# Altium PCB AIRZAI BASE BOARD REV C.PcbDoc (part 2 of 2)
Units mil, origin at the board's own origin, x right, y up, seen from the top; angles counter-clockwise.
Board outline 3352.11 x 2964.91 mil, 4 copper layers (Top Layer, MidLayer1, MidLayer2, Bottom Layer), stack 27.813 mil thick; 164 components, 100 nets, 463 pads, 356 vias.
Unrouted connection lines stored in the file: 150.
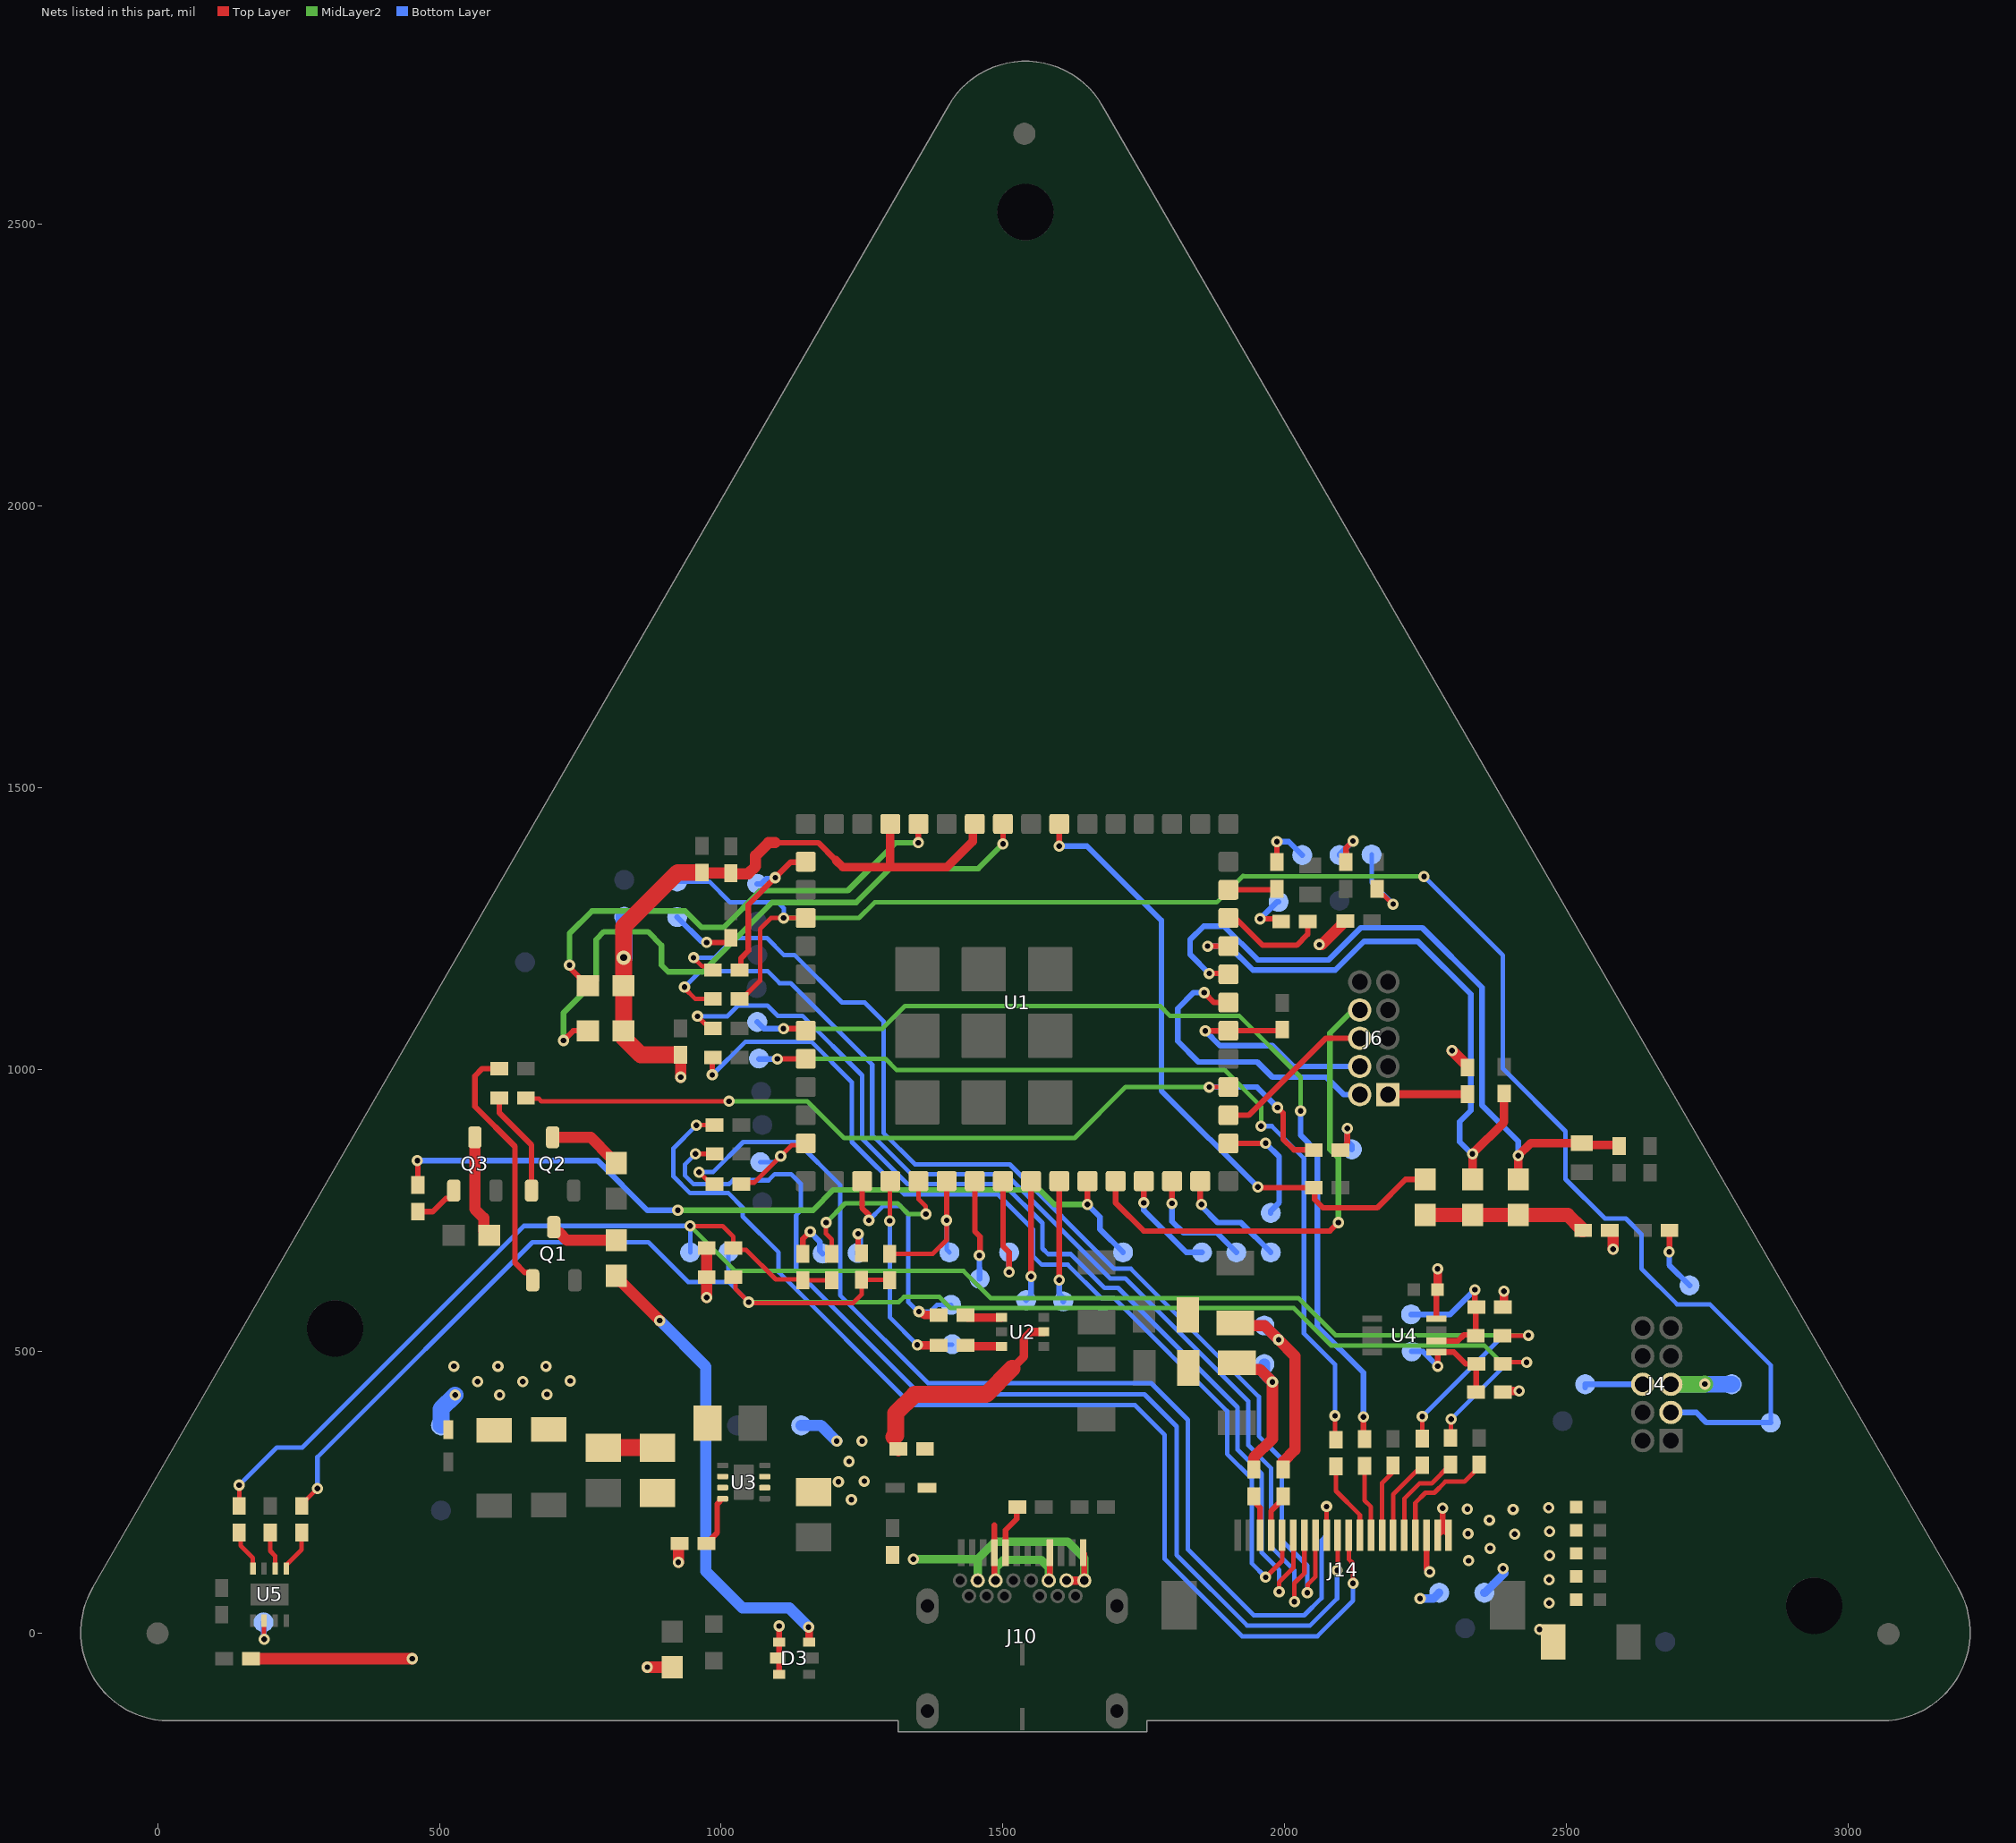
[diagram p4: the nets of this part, all layers, seen from the top]

## Via types
v1: diameter 20, hole 10, Top Layer to Bottom Layer, tented both sides, 317 vias
v2: diameter 19.68, hole 7.87, Top Layer to Bottom Layer, tented both sides, 38 vias
v3: diameter 25, hole 12, Top Layer to Bottom Layer, tented both sides, 1 vias

## Nets (pads, with @x,y where several pads share a name; then routed paths per layer and width w, separated by ;. In a path a pad name is that pad's centre, name@x,y a point inside that pad or via, vN(x,y) a via of type N, cw(c..) or ccw(c..) an arc to the next point about the centre after c; other vN are vias at no path point) (continued)
NetD3_6: D3.6 R61.2 | length 840.3
  Top Layer w13: v1(1155,11) 1156.1,9.9 D3.6@1156.1,-15.46
  Top Layer w20: R61.2@814,634.5 822.7,625.8 822.7,623.3 v1(891,555)
  Bottom Layer w20: v1(891,555) 973,473 973,110 1038.13,44.87 1121.13,44.87 v1(1155,11)
NetD5_K: D5.K J10.A4 J10.A9 J10.B4 J10.B9 L1.1 | length 301.3
  Top Layer w10: J10.A4@1484.79,142.46 1484.79,192 ; J10.A4@1484.79,143.03 1484.79,95.79 J10.B9@1486.76,93.82 ; J10.B4@1581.24,93.82 1583.21,95.79 J10.A9@1583.21,143.03
  MidLayer2 w15: J10.B9@1486.76,93.82 1486.76,116.41 1500.83,130.48 1567.82,130.48 1581.24,117.06 J10.B4@1581.24,93.82
NetJ4_6: J4.6 TP44.1 | length 107.6
  Bottom Layer w10: TP44.1@2533,436.38 TP44.1@2533,442 J4.6@2635,442
NetJ6_1: J6.1 R44.2 | length 141.3
  Top Layer w15: J6.1@2183,956 2183.75,956.75 R44.2@2324,956.75
NetJ10_A5: J10.A5 R55.1 | length 90.2
  Top Layer w10: J10.A5@1504.47,142.46 1504.47,183.25 1524.27,203.05 1524.27,222.89 R55.1@1525.38,224
NetJ10_A12: J10.A12 J10.B1 J10.G1 J10.G2 L3.1 | length 487.1
  Top Layer w10: J10.A12@1642.27,143.03 1644.24,141.06 J10.B1@1644.24,93.82
  Top Layer w15: J10.G1@1612.74,93.82 J10.B1@1644.24,93.82
  MidLayer2 w15: v1(1341,131.83) 1455.26,131.83 ; J10.G2@1455.26,93.82 1455.26,131.83 ; J10.B1@1644.24,93.82 1644.24,133.33 1615,162.57 1486,162.57 1455.26,131.83
NetJ14_3: J14.3 R20.1 | length 73.7
  Top Layer w10: R20.1@1945.02,243.37 1945.02,234.09 1956.02,223.09 J14.3@1956.02,174.23
NetJ14_4: J14.4 R18.1 | length 76.5
  Top Layer w10: J14.4@1975.71,174.23 1975.71,217.11 R18.1@1999.48,240.89
NetJ14_5: J14.5 R16.1 | length 1740.4
  Top Layer w8: v1(1966,99.61) 1995.39,129 J14.5@1995.39,174.23
  Top Layer w10: v1(984.24,991) 984.24,1020.86 R16.1@985.38,1022
  Bottom Layer w8: v1(984.24,991) 1043.24,1050 1160,1050 1232,978 1232,872 1325,779 1491,779 1553,717 1553,670 1569,654 1615,654 1674,595 1697,595 1897.6,394.4 1897.6,318.4 1941.77,274.23 1941.77,123.84 v1(1966,99.61)
NetJ14_6: J14.6 R15.1 | length 1857.7
  Top Layer w8: v1(958,1095) 971.57,1081.43 977.57,1081.43 R15.1@985.38,1073.62 ; v1(1990,74) 1990,90.92 2015.08,116 J14.6@2015.08,174.23
  Bottom Layer w8: v1(958,1095) 1011,1095 1030,1114 1082,1114 1100,1096 1144,1096 1250,990 1250,878 1331,797 1501,797 1570,728 1570,683 1580,673 1620,673 1680,613 1704,613 1916,401 1916,326 1959,283 1959,143.39 1990,112.39 v1(1990,74)
NetJ14_7: J14.7 R14.1 | length 1976.4
  Top Layer w8: v1(935,1147) 935,1145 953.83,1126.17 985.21,1126.17 R14.1@985.38,1126 ; v1(2017,56) 2017,89 2034.76,106.76 J14.7@2034.76,174.23
  Bottom Layer w8: v1(935,1147) 962.72,1174.72 1082.93,1174.72 1103.65,1154 1123,1154 1268,1009 1268,884 1337,815 1505,815 1690,630 1717,630 1935,412 1935,334 1976,293 1976,153 2017,112 v1(2017,56)
NetJ14_8: J14.8 R12.1 | length 2006.3
  Top Layer w8: v1(951,1199) 966.56,1183.44 978.98,1183.44 R12.1@985.43,1177 ; v1(2040,71.87) 2040.49,72.36 2040.49,86.49 2054.45,100.45 J14.8@2054.45,174.23
  Bottom Layer w8: v1(951,1199) 988.45,1199 1023.45,1234 1081,1234 1111,1204 1130,1204 1214.5,1119.5 1254.5,1119.5 1288,1086 1288,888 1344,832 1512,832 1697,647 1727,647 1954,420 1954,350 1994.81,309.19 1994.81,165.19 2040,120 v1(2040,71.87)
NetJ14_9: J14.9 R11.1 | length 1989.4
  Top Layer w8: v1(961,818.41) 976.56,802.85 982.94,802.85 R11.1@988.38,797.41 ; J14.9@2074.13,174.23 v1(2074.13,225)
  Bottom Layer w8: v1(961,818.41) 985.41,818.41 1039,872 1135,872 1211,796 1211,600 1367,444 1763,444 1828,379 1828,149 1945,32 2034.44,32 2065,62.56 2065,165.09 2074.13,174.23 v1(2074.13,225)
NetJ14_10: J14.10 R10.1 | length 1950
  Top Layer w8: v1(954.38,850.79) R10.1@988.45,850.79 ; v1(2093,112) 2093.82,112.82 J14.10@2093.82,174.23
  Bottom Layer w8: v1(954.38,850.79) 936,832.41 936,812 950.59,797.41 1014.41,797.41 1021,804 1084,804 1095,815 1124,815 1141,798 1141,750 1133,742 1133,644 1353,424 1751,424 1808,367 1808,139 1933,14 2045,14 2092.72,61.72 v1@2092.72,112
NetJ14_11: J14.11 R9.1 | length 1991.1
  Top Layer w8: v1(956,901.48) 956.31,901.79 R9.1@988.38,901.79 ; J14.11@2113.5,174.23 2113.5,131.5 2121,124 v1(2121,89)
  Bottom Layer w8: v1(956,901.48) 915,860.48 915,811 945,781 1013,781 1038,756 1038,740 1101.93,676.07 1101.93,641.07 1338,405 1734,405 1787,352 1787,132.06 1924.06,-5 2058,-5 2121,58 v1(2121,89) v1@2121,92
NetJ14_12: J14.12 R8.1 | length 139.8
  Top Layer w8: R8.1@2090.61,296.38 2090.61,252.73 2133.19,210.16 J14.12@2133.19,174.23
NetJ14_13: J14.13 R7.1 | length 127.9
  Top Layer w8: R7.1@2141.35,297.38 2141.35,235.96 2152.87,224.43 J14.13@2152.87,174.23
NetJ14_14: J14.14 R6.1 | length 131.8
  Top Layer w8: J14.14@2172.56,174.23 2172.56,266.56 2192,286 R6.1@2192,298
NetJ14_15: J14.15 R5.1 | length 145.6
  Top Layer w8: J14.15@2192.24,174.23 2192.24,246.62 R5.1@2244,298.38
NetJ14_16: J14.16 R4.1 | length 171.8
  Top Layer w8: J14.16@2211.93,174.23 2211.93,238.93 2239,266 2260.62,266 R4.1@2294,299.38
NetJ14_17: J14.17 R3.1 | length 201.1
  Top Layer w8: J14.17@2231.61,174.23 2231.61,231.61 2249.4,249.4 2265.24,249.4 2284.84,269 2318.56,269 2345,295.44 R3.1@2345,299.38
NetL2_1: L2.1 U3.7
NetQ1_1: Q1.1 R64.2 | length 458.2
  Top Layer w10: R64.2@606.38,1002 575.99,1002 563,989.01 563,935 634.1,863.9 634.1,657.87 651.47,640.5 658.86,640.5 665.6,633.76 Q1.1@665.6,626.38
NetQ1_3: Q1.3 R61.1 | length 125.3
  Top Layer w20: Q1.3@703,720.87 703,712.99 704.81,711.18 712.69,711.18 726.37,697.5 R61.1@814,697.5
NetQ2_1: Q2.1 R67.2 | length 187.9
  Top Layer w10: R67.2@606.38,950 606.38,923.52 663.6,866.3 Q2.1@663.6,785.76
NetQ2_3: Q2.3 R62.1 | length 132.5
  Top Layer w20: Q2.3@701,880.24 768.25,880.24 804.31,844.18 805.3,844.18 814,835.48 R62.1@814,834.5
NetQ3_1: Q3.1 R68.2 | length 83.4
  Top Layer w10: R68.2@462,748.38 488.22,748.38 511.47,771.63 518.86,771.63 525.6,778.37 Q3.1@525.6,785.76
NetQ3_3: Q3.3 R63.1 | length 185.4
  Top Layer w20: Q3.3@563,880.24 563,753 578.84,737.16 578.84,714.7 587.54,706 R63.1@588.5,706
NetR1_2: R1.2 U2.1 | length 66
  Top Layer w15: R1.2@1433.29,564.72 1437.42,560.59 U2.1@1497.6,560.59
NetR2_2: R2.2 U2.3 | length 65
  Top Layer w15: R2.2@1433.29,511 1434.88,509.41 U2.3@1497.6,509.41
NetR17_1: R17.1 TP23.1 | length 91.3
  Top Layer w10: R17.1@1986,1368.62 v1(1986,1405)
  Bottom Layer w10: v1(1986,1405) 2007,1405 TP23.1@2031,1381
NetR19_1: R19.1 TP24.1 | length 84.9
  Top Layer w10: v1(1956,1268) 1988.38,1268 R19.1@1993.38,1263
  Bottom Layer w10: v1(1956,1268) 1986,1298 TP24.1@1989,1298
NetR21_1: R21.1 TP25.1 | length 77.7
  Top Layer w10: R21.1@2108,1368.62 2108.51,1369.13 2108.51,1393.51 v1(2121,1406)
  Bottom Layer w10: TP25.1@2097,1381 2097,1382 v1(2121,1406)
NetR22_1: R22.1 R28.2 TP61.1 U4.5 | length 209.7
  Top Layer w10: U4.5@2269.12,499.28 2299.88,499.28 2321.17,478 R28.2@2339.76,478 2339.76,428.16 R22.1@2339.41,427.81 ; v1(2271.09,474) U4.5@2271.09,497.32
  Bottom Layer w10: TP61.1@2225.35,500.19 2244.9,500.19 v1(2271.09,474)
NetR23_1: R23.1 TP26.1 | length 145.7
  Top Layer w8: R23.1@2164,1321.38 2164,1317.44 2171.81,1309.63 2175.75,1309.63 2191.38,1294 v1(2192.24,1294)
  Bottom Layer w8: TP26.1@2154,1382 2154,1332.24 v1(2192.24,1294)
NetR24_1: R24.1 R26.2 TP60.1 U4.6 | length 283
  Top Layer w10: U4.6@2269.12,518.97 2306.97,518.97 2317.76,529.76 R26.2@2337,529.76 ; R24.1@2337,581.76 v1(2337,609.81) ; R26.2@2338.76,528 2338.76,578.01 R24.1@2339.76,579.01
  Bottom Layer w10: TP60.1@2224,566 2293.19,566 v1(2337,609.81)
NetR25_1: R25.1 TP27.1 | length 76.8
  Top Layer w10: v1(1243,709) 1243,680.62 R25.1@1249,674.62
  Bottom Layer w10: TP27.1@1242,675 1246.92,679.92 1246.92,709 v1(1243,709)
NetR27_1: R27.1 TP28.1 | length 92.6
  Top Layer w10: R27.1@1145,673.62 1145,700 v1(1158,713)
  Bottom Layer w10: v1@1157.5,712.5 1175.13,694.87 1175.13,678.87 TP28.1@1180,674
NetR29_1: R29.1 TP29.1 | length 91.8
  Top Layer w10: R29.1@2098.62,857.79 2102.56,857.79 2109.37,864.6 2109.37,868.54 2111,870.17 v1(2111,896)
  Bottom Layer w10: v1@2106.29,894 2108.29,896 v1(2111,896) 2111,873.6 2119,865.6 TP29.1@2119,858.72
NetR31_1: R31.1 TP30.1 | length 117.2
  Top Layer w10: v1(974.38,1226) 1009.05,1226 R31.1@1017.19,1234.14
  Bottom Layer w10: TP30.1@922,1271 965.09,1227.91 972.46,1227.91 v1(974.38,1226)
NetR32_2: R32.2 R39.2 R40.2 R41.2 | length 293.3
  Top Layer w25: R39.2@2249,742.5 R40.2@2333,742.5 R41.2@2414,742.5 2501.87,742.5 2526.13,718.25 2526.13,715.69 2526.82,715 R32.2@2529.38,715
NetR33_1: R33.1 U1.36 | length 1160.5
  Top Layer w10: v1(720.19,1052) 737.57,1069.39 R33.1@763.5,1069.39 ; v1(1500,1401) U1.36@1500,1436.32
  MidLayer2 w10: v1(720.19,1052) 720.19,1101.19 778,1159 778,1231 792,1245 870,1245 894,1221 894,1186 906,1174 967,1174 1090,1297 1239.71,1297 1299.71,1357 1456,1357 v1(1500,1401)
NetR37_2: R37.2 TP22.1 | length 122.3
  Top Layer w10: v1(2682,677) 2682.62,677.62 R37.2@2682.62,715 R37.2@2689.43,721.81
  Bottom Layer w10: v1(2682,677) 2682,653.5 TP22.1@2718,617.5
NetR53_1: R53.1 U3.8 | length 94.3
  Top Layer w10: R53.1@973.62,159.4 993,178.78 993,229.28 997.76,234.03 997.76,238.79 997.83,238.87 U3.8@1002.6,238.87
NetR66_2: R66.2 U5.2 | length 67.5
  Top Layer w8: R66.2@199.82,178.89 199.82,146.18 208.67,137.33 U5.2@208.67,115.05
NetR69_2: R69.2 U5.1 | length 75.2
  Top Layer w8: U5.1@228.35,115.05 229.27,115.97 229.27,122.27 255.82,148.82 R69.2@255.82,178.89
NetR70_2: R70.2 U5.4 | length 74
  Top Layer w8: R70.2@144.82,178.89 147.18,176.53 147.18,155.82 169.3,133.7 U5.4@169.3,115.05
NetTP36_1: TP36.1 U5.6 | length 63.1
  Top Layer w8: v1(188.98,-10.3) U5.6@188.98,22.53
  Bottom Layer w10: TP36.1@188.03,19.58 188.51,19.1 188.51,-9.83 v1(188.98,-10.3)
"NFC INT": R8.2 TP17.1 U1.51 | length 1631.5
  Top Layer w8: R8.2@2089,345.24 v1(2089,386)
  Top Layer w10: v1(1099.84,1019.39) U1.51@1150.04,1019.39
  MidLayer2 w8: v1(1099.84,1019.39) 1291.61,1019.39 1311,1000 1893,1000 1958,935 v1(1958,900)
  Bottom Layer w8: v1(1958,900) 1977,900 2034,843 2034,532 2089,477 v1(2089,386)
  Bottom Layer w10: TP17.1@1067,1019 1067.19,1019.19 1099.65,1019.19 v1(1099.84,1019.39)
P01_GPIO_10: R1.1 TP48.1 U1.3 | length 441.2
  Top Layer w8: v1(1351,571) v1@1354.25,571
  Top Layer w10: U1.3@1250,802.46 1250,755 1262,743 v1@1262,734
  Top Layer w15: v1@1354.25,571 1360.53,564.72 R1.1@1386.05,564.72
  Bottom Layer w8: v1(1262,733) 1287,758 1318,758 1332,744 1332,588 1349,571 1371,571 1382.85,582.85 TP48.1@1408,582.85
P02_GPIO_11: R2.1 TP49.1 U1.4 | length 411.8
  Top Layer w8: v1(1299,732) 1299,801.46 U1.4@1300,802.46 ; v1(1347.9,512) v1@1348.9,511
  Top Layer w15: v1@1348.9,511 R2.1@1386.05,511
  Bottom Layer w8: v1(1299,732) 1299,560.9 v1(1347.9,512) TP49.1@1410,512
P03_GPIO_12: TP50.1 U1.9 | length 215
  Top Layer w10: v1(1550,633.28) U1.9@1550,802.46
  Bottom Layer w10: TP50.1@1541,591.22 1550,600.22 v1(1550,633.28)
P04_GPIO_13: TP51.1 U1.10 | length 216.4
  Top Layer w10: v1(1600,627) U1.10@1600,802.46
  Bottom Layer w10: v1(1600,627) 1600,602 1607,595 TP51.1@1607,589
P05_GPIO_14: R51.1 U1.5 | length 322.3
  Top Layer w8: v1(1186,729) 1186,709 1196,699 R51.1@1196,673.62 ; U1.5@1350,802.46 1350,770.46 1363,757.46 v1(1363,744)
  MidLayer2 w8: v1(1186,729) 1220,763 1313,763 1332,744 v1(1363,744)
P06_GPIO_15: R54.1 TP53.1 U1.6 | length 274.6
  Top Layer w8: R54.1@1299,673.62 1375.62,673.62 1400,698 v1(1400,733)
  Top Layer w10: v1(1400,733) U1.6@1400,802.46
  Bottom Layer w8: v1(1400,733) 1400,681 TP53.1@1405,676
P07_GPIO_16: TP54.1 U1.7 | length 177.7
  Top Layer w10: U1.7@1450,802.46 1450,713.18 1459.18,704 1459.18,671.64 v1(1458.04,670.5)
  Bottom Layer w10: v1(1458.04,670.5) TP54.1@1458.54,629
P08_GPIO_17: TP55.1 U1.8 | length 201
  Top Layer w10: U1.8@1500,802.46 1500,687 1511,676 v1(1511,641)
  Bottom Layer w10: v1(1511,641) TP55.1@1511,676
P15_GPIO_22: R68.1 TP56.1 U1.11 | length 1447.5
  Top Layer w10: v1(461,839) 462,838 R68.1@462,795.62 ; v1(1650,761) U1.11@1650,802.46
  MidLayer2 w10: v1(923,751) 1163,751 1199,787 1565,787 1591,761 v1(1650,761)
  Bottom Layer w10: v1(461,839) 781,839 869,751 v1(923,751) ; v1(1650,761) 1672,739 1672,717 TP56.1@1713,676
P16_JTAG_TDI: J6.8 U1.12 | length 872.7
  Top Layer w10: U1.12@1700,802.46 1700,763.87 1749.87,714 2080,714 v1(2095,729)
  MidLayer2 w10: v1(2095,729) 2095,843.72 2080,858.72 2080,1065 2118.78,1103.78 2130.78,1103.78 J6.8@2133,1106
P17_JTAG_TDO: J6.6 U1.18 | length 289.6
  Top Layer w10: U1.18@1899.96,919.39 1936,919.39 2072.61,1056 J6.6@2133,1056
P18_GPIO_28: R29.2 R67.1 U1.19 | length 1571.8
  Top Layer w8: R67.1@653.62,950 654.99,948.63 676.68,948.63 681.1,944.21 1013.79,944.21 v1@1014,944 ; v1(1866,969.39) U1.19@1899.96,969.39
  Top Layer w10: v1(1987,933) 1996.91,923.09 1996.91,877.09 2016.21,857.79 R29.2@2051.38,857.79
  MidLayer2 w8: v1(1014,944.21) 1152.79,944.21 1218,879 1627,879 1717.39,969.39 v1(1866,969.39)
  Bottom Layer w10: v1(1866,969.39) 1950.61,969.39 v1(1987,933)
P19_JTAG_TCK: J6.4 R13.1 U1.21 | length 437.5
  Top Layer w10: v1(1859,1069) 1899.57,1069 U1.21@1899.96,1069.39 1993.4,1069.39 R13.1@1995.39,1071.38
  Bottom Layer w10: v1(1859,1069) 1885,1043 1978,1043 2015,1006 J6.4@2133,1006
P20_JTAG_TMS: J6.2 U1.22 | length 529.4
  Top Layer w10: v1(1857,1137) 1874.61,1119.39 U1.22@1899.96,1119.39
  Bottom Layer w10: v1(1857,1137) 1838,1137 1810,1109 1810,1050.74 1846.74,1014 1951,1014 1978,987 2073.56,987 2104.56,956 J6.2@2133,956
P29_GPIO_26: R19.2 U1.25 | length 191.5
  Top Layer w10: U1.25@1899.96,1269.39 1900.35,1269 1900.73,1269.39 1912.61,1269.39 1961,1221 2021,1221 2040.62,1240.62 R19.2@2040.62,1263
P30_GPIO_27: R17.2 U1.26 | length 86.9
  Top Layer w10: U1.26@1899.96,1319.39 1984.01,1319.39 R17.2@1986,1321.38
PWM1: C19.1 L5.2 R18.2 TP21.1 | length 376.2
  Top Layer w20: C19.1@1912,550.85 1916.6,546.25 1963.75,546.25 v1(1989,521) 2018,492 2018,325.62 1997,304.62 R18.2@1997,290.62
  Bottom Layer w20: TP21.1@1963.75,546.25 v1(1989,521)
PWM2: C17.1 L4.2 R20.2 TP31.1 | length 283.7
  Top Layer w20: C17.1@1915,480.15 1926.65,468.5 1955.5,468.5 v1(1978,446) 1978,345 1945.02,312.02 R20.2@1945.02,290.62
  Bottom Layer w20: TP31.1@1963.75,477.65 1963.75,460.25 v1(1978,446)
SENS_I2C_SCL: R5.2 R26.1 R27.2 R48.2 R51.2 R70.1 TP8.1 | length 3278.5
  Top Layer w8: R70.1@144.82,226.13 v1(144.82,263) ; v1(945,723) 945.21,722.79 1002.59,722.79 1021.62,703.75 R48.2@1021.62,684 1025.31,680.32 1044.68,680.32 1096.88,628.12 1143.25,628.12 R27.2@1145,626.38 R51.2@1196,626.38 ; R5.2@2244,345.62 v1(2244,385) ; R26.1@2386,528 2431.38,528 v1(2432.19,528.81)
  MidLayer2 w8: v1(945,723) 1025,643 1430,643 1478,595 2024,595 2090.19,528.81 v1(2432.19,528.81)
  Bottom Layer w8: v1(144.82,263) 211.63,329.8 256.8,329.8 650,723 v1(945,723) TP8.1@945,676 ; v1(2244,385) 2387.81,528.81 v1(2432.19,528.81)
SENS_I2C_SDA: R4.2 R25.2 R28.1 R49.2 R54.2 R69.1 TP9.1 | length 3149.5
  Top Layer w8: R69.1@255.82,226.13 252.78,226.13 v1(283.65,257) ; R49.2@1021.62,632 1025.56,632 1025.56,611.12 v1(1049,587.68) 1050.68,586 1234,586 1249,601 R25.2@1249,627.38 1298,627.38 R54.2@1299,626.38 ; R4.2@2294,346.62 2295,347.62 v1(2295,380) ; R28.1@2387,478 2390,481 v1(2429,481)
  MidLayer2 w8: v1(1049,587.68) 1315,587.68 1324.32,597 1387.37,597 1407.37,577 2016,577 2082,511 2354,511 2384,481 v1(2429,481)
  Bottom Layer w8: v1(283.65,257) 283.65,312.65 665.05,694.05 870.95,694.05 941.32,623.68 1013,623.68 ; TP9.1@1013,677 1013,623.68 ; v1(1049,587.68) 1013,623.68 ; v1(2295,380) 2396,481 v1(2429,481)
SOP0: R34.2 R39.1 U1.34 | length 1163.3
  Top Layer w10: v1(1600,1397) U1.34@1600,1436.32 ; v1(1952,792) 1953.21,790.79 R34.2@2051.38,790.79 2053.16,789.01 2053.16,769.84 2068,755 2163.75,755 2214.25,805.5 R39.1@2249,805.5
  Bottom Layer w10: v1(1600,1397) 1649,1397 1781,1265 1781,963 v1(1952,792)
SOP1: R35.1 R40.1 U1.24 | length 1060.1
  Top Layer w10: v1(1863,1219.39) U1.24@1899.96,1219.39
  Top Layer w15: R40.1@2333,805.5 v1(2333,851) 2388.96,906.96 R35.1@2388.96,958.03
  Bottom Layer w10: v1(1863,1219.39) 1901,1219.39 1943.39,1177 2089.59,1177 2140.59,1228 2236,1228 2330,1134 2330,928 2310,908 2310,872 v1@2333,849
SOP2: D1.2 R36.1 R41.1 U1.23 | length 1285.4
  Top Layer w10: v1(1866,1171) 1898.35,1171 U1.23@1899.96,1169.39
  Top Layer w15: R41.1@2414,805.5 v1(2414,847.5) 2436.09,869.59 D1.2@2527,869.59 2533,869.59 2535.97,866.62 R36.1@2593,866.62
  Bottom Layer w10: v1(1866,1171) 1832,1205 1832,1231 1856,1255 1892,1255 1952,1195 2078,1195 2135,1252 2244,1252 2350,1146 2350,937 2414,873 v1(2414,847.5)
SPI_CLK: TP1.1 U1.15 | length 202.2
  Top Layer w10: U1.15@1850,802.46 1850,763 v1(1852,761)
  Bottom Layer w10: v1(1852,761) 1852,758 1881,729 1922,729 TP1.1@1975,676
SPI_CS_IN: TP2.1 U1.14 | length 208.2
  Top Layer w10: v1(1800,763) U1.14@1800,802.46
  Bottom Layer w10: v1(1800,763) 1800,731 1820,711 1879,711 TP2.1@1914,676
SPI_MISO: TP4.1 U1.13 | length 185.5
  Top Layer w10: v1(1750,764) U1.13@1750,802.46
  Bottom Layer w10: v1(1750,764) 1750,751 1825,676 TP4.1@1853,676
SPI_MOSI: TP3.1 U1.17 | length 206.4
  Top Layer w10: U1.17@1899.96,869.39 1965.39,869.39 v1(1966,870)
  Bottom Layer w10: v1(1966,870) 1990,846 1990,764.58 1975,749.58 TP3.1@1975,746
"SPR GPIO1": R11.2 TP15.1 U1.54 | length 184.9
  Top Layer w8: R11.2@1035.62,797.41 1038.19,799.98 1058.68,799.98 v1(1105.7,847) 1125.01,866.31 1146.96,866.31 U1.54@1150.04,869.39
  Bottom Layer w8: TP15.1@1069.49,836.14 1094.84,836.14 v1(1105.7,847)
SPR_GPO2: R12.2 TP34.1 U1.44 | length 292.6
  Top Layer w10: R12.2@1032.67,1177 1034.95,1179.28 1034.95,1197.95 1048,1211 1048,1293 v1(1096,1341) 1123.18,1368.18 1148.84,1368.18 U1.44@1150.04,1369.39
  Bottom Layer w10: TP34.1@1064,1330 1070.88,1330 1079.97,1339.09 1094.09,1339.09 v1(1096,1341)
SPR_GPO3: J4.3 R14.2 TP35.1 TP46.1 U1.46 | length 3087.7
  Top Layer w8: R14.2@1032.62,1126 1036.56,1126 1069,1158.44 1069,1250 1088.39,1269.39 v1(1111,1269.39) U1.46@1150.04,1269.39
  MidLayer2 w8: v1(1111,1269.39) 1244.67,1269.39 1272.29,1297 1879,1297 1926,1344 1927,1343 v1(2247,1343)
  Bottom Layer w8: TP35.1@922,1334 979,1334 1016,1297 1101,1297 1111,1287 v1(1111,1269.39) ; v1(2247,1343) 2387,1203 2387,1002 2498,891 2498,806 2568,736 2605,736 2633,708 2633,646.97 2695.97,584 2754,584 2862,476 TP46.1@2862,374
  Bottom Layer w10: J4.3@2685,392 2730,392 2748,374 TP46.1@2862,374
Test: R30.1 U1.39 | length 849.8
  Top Layer w10: v1(731,1186) 732.91,1184.09 732.91,1179.59 748.82,1163.69 748.82,1162.7 762.52,1149 R30.1@763.5,1149 ; v1(1349.81,1403) 1349.91,1403.09 1349.91,1436.22 U1.39@1350,1436.32
  MidLayer2 w10: v1(731,1186) 731,1242 770.76,1281.76 936.24,1281.76 965,1253 1005,1253 1070,1318 1224.76,1318 1309.76,1403 v1(1349.81,1403)
TOFINT: R7.2 TP16.1 U1.50 | length 1768
  Top Layer w10: v1(1110.56,1073) 1146.43,1073 U1.50@1150.04,1069.39 ; v1(2139.38,384) 2139.38,346.59 R7.2@2141.35,344.62
  MidLayer2 w8: v1(1110.56,1073) 1286,1073 1326,1113 1779,1113 1796,1096 1919,1096 2028,987 v1(2028,927)
  Bottom Layer w10: TP16.1@1064,1085 1076,1073 v1(1110.56,1073) ; v1(2028,927) 2028,884 2058,854 2058,544 2139.38,462.62 v1(2139.38,384)
VCC_3V3: C1.1 C2.1 C3.1 C11.1 C12.1 C14.1 C15.1 C20.1 D3.1 D3.3 D3.5 D6.K J4.5 J14.18 L2.2 R22.2 R24.2 R30.2 R32.1 R33.2 R44.1 R48.1 R49.1 R50.2 R53.2 R58.2 R72.1 TP6.1 TP10.1 TP37.1 TP47.1 U1.37 U1.40 U3.6 U4.8 | length 2508.4
  Top Layer w10: 1095.5,1403 1172.31,1403 1203.31,1372 ; D3.1@1102.95,-72.54 1102.95,-46.95 D3.3@1100,-44 1102.95,-41.05 D3.5@1102.95,-15.46 v1(1102.95,13) ; J14.18@2251.3,174.23 2251.3,114.7 v1(2257,109) ; U4.8@2269.12,558.34 C20.1@2269.12,607.9
  Top Layer w15: 1203.31,1372 1215.49,1359.82 1401.06,1359.82 1446.29,1405.05 1446.29,1432.61 U1.37@1450,1436.32 ; 1300,1360.84 U1.40@1300,1436.32 ; C20.1@2271.03,609.81 v1(2271.03,646.94) ; R22.2@2388,426.46 2391.54,430 v1(2416,430) ; R24.2@2388.96,580.97 v1(2388.96,607)
  Top Layer w20: R58.2@174.46,-45 v1(452,-45) ; v1(869,-60) R50.2@913,-60.01 ; C1.1@923.03,1026.38 C1.1@928,1026.38 929.19,1025.19 928,1024 v1(928,987) ; v1(924,126) 924,157.02 R53.2@926.38,159.4 ; C3.1@966.19,1350.03 967.19,1349.03 C2.1@1017.19,1349.03 1018.22,1348 1048,1348 1061,1361 1061,1380 1084,1403 1095.5,1403 ; v1(974.38,595.81) R49.1@974.38,632 R48.1@974.38,684 ; v1(2061.24,1222) 2065.38,1222 2101.63,1258.25 2101.63,1262.19 2103.44,1264 R72.1@2107.38,1264 ; v1(2296.63,1034.37) 2321.25,1009.75 2322.19,1009.75 2324,1007.93 R44.1@2324,1004 ; R32.1@2576.62,715 2580.56,715 2582.37,713.19 v1(2582.37,681.63)
  Top Layer w30: C12.1@791,329.4 L2.2@887,329.4 ; R30.2@827,1136.05 827,1057 857.62,1026.38 C1.1@923.03,1026.38 ; R30.2@827,1149 v3(827,1198.95) 827,1254 923.03,1350.03 C3.1@966.19,1350.03
  MidLayer2 w30: J4.5@2685,442 2744.52,442 v1(2745,442.48)
  Bottom Layer w10: v1(2257,109) v1@2257,111.71
  Bottom Layer w15: v1(2240,61.8) 2263.8,61.8 TP10.1@2274,72 ; TP47.1@2793,442 TP47.1@2794,441
  Bottom Layer w30: TP6.1@503,369 503,398 v1(528,423) ; v3@828,1198.95 TP37.1@828,1271.56 ; J4.5@2685,442 TP47.1@2793,442
  other v1: 607,423 691,424 568,447 648,447 732,448 526,474 604,474 689,474
VCC_5V: C5.1 C6.1 C7.1 C8.1 C9.1 C10.1 C13.1 J14.19 J14.20 L1.2 TP7.1 TP11.1 U2.5 U3.2 U3.3 | length 586.1
  Top Layer w10: J14.19@2272.21,174.23 2280,182.02 2280,184.9 ; v1(2280,222) 2280,184.9 ; J14.20@2290.67,174.23 2280,184.9
  Top Layer w15: L1.2@1314,321.38 L1.2@1314.38,321 ; 1516,470 1537,491 1537,523 1549,535 U2.5@1572.4,535
  Top Layer w30: 1306.5,348.65 1306.86,348.65 1309.43,351.22 1309.43,390.43 1343,424 1470,424 1516,470
  Bottom Layer w15: v1(2280,222) v1@2280,222.29 ; TP11.1@2354,72 2355,72 2390,107 2387,110 v1(2387,115)
  Bottom Layer w20: TP7.1@1142,369 1177,369 v1(1205,341)
  other v1: 2452,7 2469,54 2469,95 2326,129 2470,138 2364,151 2408,176 2325,177 2470,181 2363,201 2405,220 2324,220.68 2468,223.13 1231,237 1208,269 1254,270 1227,305 1250,341
pads on no net: FID1.1 FID3.1 FID4.1 J4.7 J4.8 J4.9 J4.10 J10.A2 J10.A3 J10.A6 J10.A7 J10.A8 J10.A10 J10.A11 J10.B2 J10.B3 J10.B6 J10.B7 J10.B8 J10.B10 J10.B11 J10.Shell J14.MP1 J14.MP2 U1.20 U1.29 U1.31 U1.33 U1.41 U1.45 U1.55@1369.49,920.57 U1.55@1369.49,963.87 U1.56@1444.29,920.57 U1.56@1444.29,963.87 U1.56@1487.6,920.57 U1.56@1487.6,963.87 U1.57@1562.4,920.57 U1.57@1562.4,963.87 U1.57@1605.71,920.57 U1.57@1605.71,963.87 U1.58@1326.18,1038.68 U1.58@1326.18,1081.98 U1.58@1369.49,1038.68 U1.58@1369.49,1081.98 U1.59@1444.29,1038.68 U1.59@1444.29,1081.98 U1.59@1487.6,1038.68 U1.59@1487.6,1081.98 U1.60@1562.4,1038.68 U1.60@1562.4,1081.98 U1.60@1605.71,1038.68 U1.60@1605.71,1081.98 U1.61@1326.18,1156.79 U1.61@1326.18,1200.09 U1.61@1369.49,1156.79 U1.61@1369.49,1200.09 U1.62@1444.29,1156.79 U1.62@1444.29,1200.09 U1.62@1487.6,1156.79 U1.62@1487.6,1200.09 U1.63@1562.4,1156.79 U1.63@1562.4,1200.09 U1.63@1605.71,1156.79 U1.63@1605.71,1200.09 U4.2 U4.3 U5.3

## Polygon pours and split planes (outlines as drawn)
GND on MidLayer1 "gnd_mid1" (solid, remove dead copper, pour order 15): 21.27,-155.3 3058.42,-155.3 ccw(c3058.42,2.18) 3194.8,80.92 1676.23,2711.17 ccw(c1539.85,2632.43) 1403.46,2711.17 -115.11,80.92 ccw(c21.27,2.18)
no net on MidLayer1 "MidLayer1-No Net" (solid, pour order 0): 893,1475
VCC_3V3 on MidLayer2 "vcc_3v3_mid2" (solid, remove dead copper, pour order 11): 21.27,-155.3 3058.42,-155.3 ccw(c3058.42,2.18) 3194.8,80.92 1676.23,2711.17 ccw(c1539.85,2632.43) 1403.46,2711.17 -115.11,80.92 ccw(c21.27,2.18)
VCC_5V on MidLayer2 "5V_MidLayer2" (solid, remove dead copper, pour order 10): 1142,391 1142,83 1302.29,-77.29 2510,-77.29 2510,164.69 2404.69,164.69 2265.42,25.42 1459.58,25.42 1325,160 1325,391
GND on Top Layer "gnd_top" (solid, remove dead copper, pour order 13): 21.27,-155.3 3058.42,-155.3 ccw(c3058.42,2.18) 3194.8,80.92 1676.23,2711.17 ccw(c1539.85,2632.43) 1403.46,2711.17 -115.11,80.92 ccw(c21.27,2.18)
GND on Bottom Layer "gnd_bot" (solid, remove dead copper, pour order 17): 21.27,-155.3 3058.42,-155.3 ccw(c3058.42,2.18) 3194.8,80.92 1676.23,2711.17 ccw(c1539.85,2632.43) 1403.46,2711.17 -115.11,80.92 ccw(c21.27,2.18)

## Keep-outs
Keep-Out Layer:
  the board outline again, w5

## Other copper
Top Layer:
  rectangle net GND: 1007,50 1110.56,219.52
  rectangle net GND: 1011,309.46 1091,378
  rectangle net GND: 1005,309.46 1077,333
  rectangle net GND: 1022,120.84 1058,352.2
  rectangle net GND: 1847,124 1916,212
  rectangle net PWM2: 1812,435 1950,507.07
  rectangle net PWM1: 1811,525 1950,595
  rectangle net NetC4_1: 1642,438 1765,506
  rectangle net NetC18_1: 1640,533 1765,597
  rectangle net VCC_3V3: 2230,47.89 2269.11,118
  rectangle net NetJ10_A12: 1284,107 1353,154.4
  rectangle net NetD5_K: 1345,182 1490,365.4
  rectangle net VCC_5V: 2280,104 2441,158
  rectangle net VCC_5V: 2437,-15.46 2497,140
  rectangle net VCC_5V: 2462,-16 2523,200
  rectangle net VCC_5V: 2268,132 2523,238
  rectangle net VCC_5V: 1112,296 1330,348
  rectangle net VCC_3V3: 506,341 982,493
  rectangle net VCC_5V: 1107,318 1330,366.22
  rectangle net GND: 1284,166 1333,271
  rectangle net VCC_3V3: 934,273.4 982,342.4
  rectangle net VCC_3V3: 934,273.4 1011,283.4
  rectangle net VCC_3V3: 854,301.4 981,424.4
  rectangle net VCC_5V: 1107,227.4 1266,365.4
  rectangle net VCC_5V: 1070,273.4 1110,283.4
  rectangle net VCC_5V: 1070,253.4 1111,263.4
  rectangle net NetL2_1: 879,201.4 978,262.4
  rectangle net NetL2_1: 963,254.4 1009,262.4
  pour cut-out: 21.19,317 351,317 351,-155.3 350.7,-155 10,-155 -8,-153 -27,-148 -45,-141 -58.5,-133.5 -77,-121.5 -101,-98 -120,-68 -131,-38.5 -135,-18.5 -136,3.5 -135,23.5 -134,32 -128,54 -109.29,91
  pour cut-out: 351,317 351,-155.3 406,-155.3 406,378 56.41,378 21.19,317
  pour cut-out: 1278,1486.32 2383.4,1486.32 1676.23,2711.17 1663,2731 1651,2744 1641,2754 1631,2761 1622,2767 1609,2774 1600,2778 1590,2782 1575,2786 1571,2787 1551,2789.91 1529,2790 1509,2787 1489,2782 1469,2773.73 1451,2763 1435,2751 1421,2736 1409,2721 1406,2716 716,1520.44 696.3,1486.32
  pour cut-out: 2313,95 2313,-30 2365,-30 2365,95
  pour cut-out: 1894,96 1895,95 1895,-30 1842,-30 1843,-29 1843,96
MidLayer1:
  pour cut-out: 406,378 406,-155 10,-155 -8,-153 -27,-148 -48,-140 -69,-127 -83,-116 -97,-102 -109,-87 -115.11,-76.56 -120,-68 -128,-48 -134,-29 -136,-8 -136,15 -134,32 -128,54 -117,77 56.41,378
  pour cut-out: 1278,1486.32 2383.4,1486.32 1676.23,2711.17 1663,2731 1651,2744 1641,2754 1631,2761 1622,2767 1609,2774 1600,2778 1590,2782 1575,2786 1571,2787 1551,2789.91 1529,2790 1509,2787 1489,2782 1469,2773.73 1451,2763 1435,2751 1421,2736 1409,2721 1406,2716 716,1520.44 696.3,1486.32
MidLayer2:
  rectangle net VCC_3V3: 2213,51 2240,83.61
  rectangle net VCC_3V3: 2220.6,79 2279,143.3
  rectangle net VCC_3V3: 2221,42 2262,157
  rectangle net VCC_5V: 2312,67 2510,254.42
  pour cut-out: 406,378 406,-155 10,-155 -8,-153 -27,-148 -48,-140 -69,-127 -83,-116 -97,-102 -109,-87 -115.11,-76.56 -120,-68 -128,-48 -134,-29 -136,-8 -136,15 -134,32 -128,54 -117,77 56.41,378
  pour cut-out: 1278,1486.32 2383.4,1486.32 1676.23,2711.17 1663,2731 1651,2744 1641,2754 1631,2761 1622,2767 1609,2774 1600,2778 1590,2782 1575,2786 1571,2787 1551,2789.91 1529,2790 1509,2787 1489,2782 1469,2773.73 1451,2763 1435,2751 1421,2736 1409,2721 1406,2716 716,1520.44 696.3,1486.32
Bottom Layer:
  pour cut-out: 406,378 406,-155 10,-155 -8,-153 -27,-148 -48,-140 -69,-127 -83,-116 -97,-102 -109,-87 -115.11,-76.56 -120,-68 -128,-48 -134,-29 -136,-8 -136,15 -134,32 -128,54 -117,77 56.41,378
  pour cut-out: 1278,1486.32 2383.4,1486.32 1676.23,2711.17 1663,2731 1651,2744 1641,2754 1631,2761 1622,2767 1609,2774 1600,2778 1590,2782 1575,2786 1571,2787 1551,2789.91 1529,2790 1509,2787 1489,2782 1469,2773.73 1451,2763 1435,2751 1421,2736 1409,2721 1406,2716 716,1520.44 696.3,1486.32

## Silkscreen, mask and mechanical layers (free items; w line width, h text height)
Top Overlay:
  circle w7.8: c1076,208.98 r3
  lines w10: 1111.61,756 1938.39,756 1938.39,1749.39 1113.23,1749.39 1111.61,1747.77 1111.61,756
  text "PWB 602-0024 Rev C" at 1292,1856 h60
  text "Airzai RevC, Aug 2019" at 1131,1793 h40
Bottom Overlay:
  text "GND" at 864,1366 h30
  text "GND" at 2209,1286.45 h30
  text "GND" at 1181.83,749.56 h30
  text "GND" at 990.81,352.55 h30
  text "GND" at 473.79,202 h30
  text "GND" at 2786.79,-27.86 h30
  text "GND" at 2362,-47 h30
Mechanical 1:
  drawing of 591 lines, arcs and shapes, not listed
  text "R4" at 1501.26,3070.31 h137.8 r71.97
  text "74,81" at -743.68,1629.55 h137.8 r90
  text "R4" at 3493.07,378.19 h137.8 r23.42
  text "38,2" at 2463.9,-347.73 h137.8
  text "8,74" at 1998.99,-696.14 h137.8
  text "85,14" at 1539.85,-1141.12 h137.8
Mechanical 4:
  the board outline again, w5
Mechanical 15:
  circle w1.97: c1988.04,748.82 r118.11
  circle w1.97: c1053.97,749.63 r118.11
Mechanical 17:
  drawing of 458 lines, arcs and shapes, not listed
  text "FABRICATION NOTES" at -1986,6947 h150
  text "Layer" at 6915.57,5866.9 h60
  text "Name" at 7325.48,5866.9 h60
  text "Material" at 8255.23,5866.9 h60
  text "Thickness" at 9114.99,5866.9 h60
  text "Constant" at 9764.83,5866.9 h60
  text "Board Layer Stack" at 10334.69,5866.9 h60
  text "1" at 6915.57,5746.9 h60
  text "Top Overlay" at 7325.48,5746.9 h60
  text "2" at 6915.57,5626.9 h60
  text "Top Solder" at 7325.48,5626.9 h60
  text "Solder Resist" at 8255.23,5626.9 h60
  text "1.97mil" at 9114.99,5626.9 h60
  text "3.5" at 9764.83,5626.9 h60
  text "3" at 6915.57,5506.9 h60
  text "Top Layer" at 7325.48,5506.9 h60
  text "Copper" at 8255.23,5506.9 h60
  text "1.40mil" at 9114.99,5506.9 h60
  text "4" at 6915.57,5386.9 h60
  text "Dielectric1" at 7325.48,5386.9 h60
  text "FR-4" at 8255.23,5386.9 h60
  text "5.20mil" at 9114.99,5386.9 h60
  text "4.8" at 9764.83,5386.9 h60
  text "5" at 6915.57,5266.9 h60
  text "MidLayer1" at 7325.48,5266.9 h60
  text "Copper" at 8255.23,5266.9 h60
  text "1.40mil" at 9114.99,5266.9 h60
  text "6" at 6915.57,5146.9 h60
  text "Dielectric2" at 7325.48,5146.9 h60
  text "FR-4" at 8255.23,5146.9 h60
  text "11.81mil" at 9114.99,5146.9 h60
  text "4.8" at 9764.83,5146.9 h60
  text "7" at 6915.57,5026.9 h60
  text "MidLayer2" at 7325.48,5026.9 h60
  text "Copper" at 8255.23,5026.9 h60
  text "1.40mil" at 9114.99,5026.9 h60
  text "8" at 6915.57,4906.9 h60
  text "Dielectric3" at 7325.48,4906.9 h60
  text "FR-4" at 8255.23,4906.9 h60
  text "5.20mil" at 9114.99,4906.9 h60
  text "4.8" at 9764.83,4906.9 h60
  text "9" at 6915.57,4786.9 h60
  text "Bottom Layer" at 7325.48,4786.9 h60
  text "Copper" at 8255.23,4786.9 h60
  text "1.40mil" at 9114.99,4786.9 h60
  text "10" at 6915.57,4666.9 h60
  text "Bottom Solder" at 7325.48,4666.9 h60
  text "Solder Resist" at 8255.23,4666.9 h60
  text "1.97mil" at 9114.99,4666.9 h60
  text "3.5" at 9764.83,4666.9 h60
  text "11" at 6915.57,4546.9 h60
  text "Bottom Overlay" at 7325.48,4546.9 h60
  text "UNLESS OTHERWISE SPECIFIED IN THE ECOBEE PURCHASE ORDER, THE FOLLOWING SPECIFICATIONS  / SHALL APPLY.  / ANY DEVIATION SHALL REQUIRE WRITTEN APPROVAL FROM AN ECOBEE REPRESENTATIVE. /  / 1. BOARD DATA VIEWED FROM PRIMARY SIDE. / 2. LATEST REVISIONS SHALL APPLY TO ALL SPECIFICATIONS. / 3. FABRICATE PCB IN ACCORDANCE WITH IPC-6013C TYPE 2 USING SUPPLIED GERBER OR  / ODB++ CAD DATA. /  /           Performance Class   - Class 2 /           Installation Usage  - Use B /  / 4. FINISH:  IMMERSION GOLD /  / ALL EXPOSED CONDUCTIVE PATTERN AREAS NOT COVERED WITH COVERLAY MATERIAL OR OTHER PLATING  / SHALL BE IMMERSION GOLD (0.000030-0.000090 mm) OVER ELECTROLESS NICKEL (0.001-0.006 mm). /  / 5. LEGEND SHALL BE WHITE, PERMANENT, ORGANIC, NON-CONDUCTIVE UV OR EPOXY TYPE INK APPLIED  / TO THE TOP SIDE OF THE BOARD. THERE SHALL BE NO LEGEND ON ANY SOLDERABLE COMPONENT LAND. /  / 6. ALL ASSEMBLY MATERIALS TO BE RoHS COMPLIANT. /  / 7. THIS IS A NON-WASHABLE ASSEMBLY! /  / 8. ANY LABELS OR COMPOSITION OF, APPLIED TO THE BOARD NEED TO BE APPROVIED BY AIRZAI /  / 14. MINIMUM TRACE WIDTHS: /           EXTERNAL: 0.203 mm  INTERNAL: N/A /  / 15. MINIMUM SPACE BETWEEN FEATURES: /          EXTERNAL: 0.203mm  INTERNAL: N/A /  / 16. Overall Board Thickness: 38 mils" at -2023,2654 h75
  text "BASE BOARD" at 9134.16,-1369.43 h157.48
  text "PWB 602-0024 Rev C" at 9151,-1638 h127.95
  text "2" at 11554.43,-1715.88 h59.06
  text "2" at 11743.41,-1715.88 h59.06
Mechanical 18:
  lines w5: -2553.25,418.17 -2353.25,418.17 ; -2553.25,2793.17 -2353.25,2793.17 ; -2553.25,5168.17 -2353.25,5168.17 ; -53.25,-1956.83 -53.25,-1756.83 ; -53.25,7343.17 -53.25,7543.17 ; 2446.75,-1956.83 2446.75,-1756.83 ; 2446.75,7343.17 2446.75,7543.17 ; 4946.75,-1956.83 4946.75,-1756.83 ; 4946.75,7343.17 4946.75,7543.17 ; 7446.75,-1956.83 7446.75,-1756.83 ; 7446.75,7343.17 7446.75,7543.17 ; 7745.96,-1459.04 12245.96,-1459.04 ; 7745.96,-1217.31 8816.63,-1217.31 ; 7745.96,-983.25 8816.63,-983.25 ; 7745.96,-772.43 8816.63,-772.43 ; 7746.75,-1756.83 12246.75,-1756.83 ; 8371.75,-1760.02 8371.75,-560.02 ; 8816.63,-1759.04 8816.63,-559.04 ; 8816.63,-1092.11 12245.81,-1092.11 ; 9156.59,-559.04 12245.96,-559.04 ; 9245.96,-559.04 7745.96,-559.04 ; 9946.75,-1956.83 9946.75,-1756.83 ; 9946.75,7343.17 9946.75,7543.17 ; 11869.58,-1759.04 11869.58,-1459.04 ; 12246.75,-556.83 12246.75,-1756.83 ; 12246.75,418.17 12446.75,418.17 ; 12246.75,2793.17 12446.75,2793.17 ; 12246.75,5168.17 12446.75,5168.17 ; 6345.96,-1759.04 7745.96,-1759.04 ; 6345.96,-1759.04 7745.96,-1759.04 ; 6345.96,-1759.04 6345.96,-559.04 7745.96,-559.04 ; 7745.96,-1759.04 12245.96,-1759.04 ; 7745.96,-1759.04 12245.96,-1759.04 ; 7745.96,-1759.04 7745.96,-559.04 ; 12245.96,-1759.04 12245.96,-559.04 ; 12245.96,-1759.04 12245.96,-559.04 ; 12246.75,-1756.83 12246.75,7343.17 -2353.25,7343.17 -2353.25,-1756.83 12246.75,-1756.83 ; -2553.25,-1956.83 -2553.25,7543.17 12446.75,7543.17 12446.75,-1956.83 -2553.25,-1956.83
  text "1" at -1321.91,7413.17 h70
  text "2" at 1173.75,7413.17 h70
  text "3" at 3663.1,7413.17 h70
  text "4" at 6169.76,7413.17 h70
  text "5" at 8668.75,7413.17 h70
  text "6" at 11173.75,7413.17 h70
  text "A" at -2478.25,6270.17 h70
  text "A" at 12321.75,6270.17 h70
  text "B" at -2478.25,3890.17 h70
  text "B" at 12321.75,3890.17 h70
  text "C" at -2478.25,1515.17 h70
  text "C" at 12321.75,1515.17 h70
  text "AIRZAI PROPRIETARY & CONFIDENTIAL" at 7901.87,-448.17 h127.95
  text "DATE:" at 8402.26,-621.24 h45
  text "ENGINEER:" at 7768.4,-627.54 h45
  text "UNLESS OTHERWISE SPECIFIED" at 6445.56,-688.17 h59.06
  text "08/09/19" at 8409.59,-729.86 h59.06
  text "FD" at 7961.27,-736.13 h78.74
  text "DIMENSIONS ARE IN MM" at 6567.61,-814.16 h59.06
  text "PCB DESIGNER:" at 7764.46,-835.93 h45
  text "DATE:" at 8390.45,-837.78 h45
  text "D" at -2478.25,-854.83 h70
  text "D" at 12321.75,-854.83 h70
  text "AIRZAI" at 9107.58,-893.05 h127.95
  text "TOLERANCES" at 6768.4,-940.14 h59.06
  text "DFM" at 7934.9,-946.01 h78.74
  text "08/09/19" at 8404.59,-948.86 h59.06
  text "DATE:" at 8390.45,-1050.38 h45
  text "CHECK" at 7764.46,-1052.46 h45
  text "ANGULAR" at 7252.65,-1097.62 h59.06
  text "DECIMALS" at 6449.5,-1109.43 h59.06
  text "TITLE:" at 8868.41,-1155.84 h45
  text "FD" at 8000.64,-1169.2 h78.74
  text "08/09/19" at 8399.59,-1172.86 h59.06
  text ".XX +/- .127MM" at 6402.26,-1266.91 h59.06
  text "+/-" at 7240.84,-1270.85 h59.06
  text "REL" at 7776.27,-1283.45 h45
  text "DATE:" at 8406.19,-1290.54 h45
  text "FD" at 7990.8,-1385.73 h78.74
  text "08/09/19" at 8401.59,-1411.86 h59.06
  text ".XXX +/- .080MM" at 6390.45,-1428.33 h59.06
  text "REV:" at 11892.02,-1522.82 h45
  text "SCALE:" at 8411.71,-1523.61 h45
  text "DWG NO:" at 8862.89,-1531.48 h45
  text "SIZE" at 7776.27,-1534.63 h45
  text "B" at 7980.01,-1665.22 h120
  text "DO NOT SCALE DRAWING" at 6445.56,-1668.49 h70.87
  text "B" at 11975.69,-1684.39 h120
  text "1:1" at 8460.33,-1688.84 h120
  text "SHEET" at 11327.45,-1720.46 h45
  text "OF" at 11591.23,-1720.46 h45
  text "1" at -1321.91,-1886.83 h70
  text "2" at 1173.75,-1886.83 h70
  text "3" at 3663.1,-1886.83 h70
  text "4" at 6169.76,-1886.83 h70
  text "5" at 8668.75,-1886.83 h70
  text "6" at 11173.75,-1886.83 h70
Mechanical 20:
  text "CENTER 21.69X19.17" at -449.57,1107.11 h30
  text "CENTER 45.39X19.17" at 2570.11,1064.79 h30

## Dimensions
1053.97,749.63 to 2602.36,6038.54 on Mechanical 16
1987.04,749.63 to 4722.44,6093.66 on Mechanical 16

## Text inside footprints (layer, text, board x,y; h text height)
J10: Mechanical 2 "PCB Edge" at 1467.07,-310.91 h24